# KiCad board Z80ATmega128.kicad_pcb (continued)
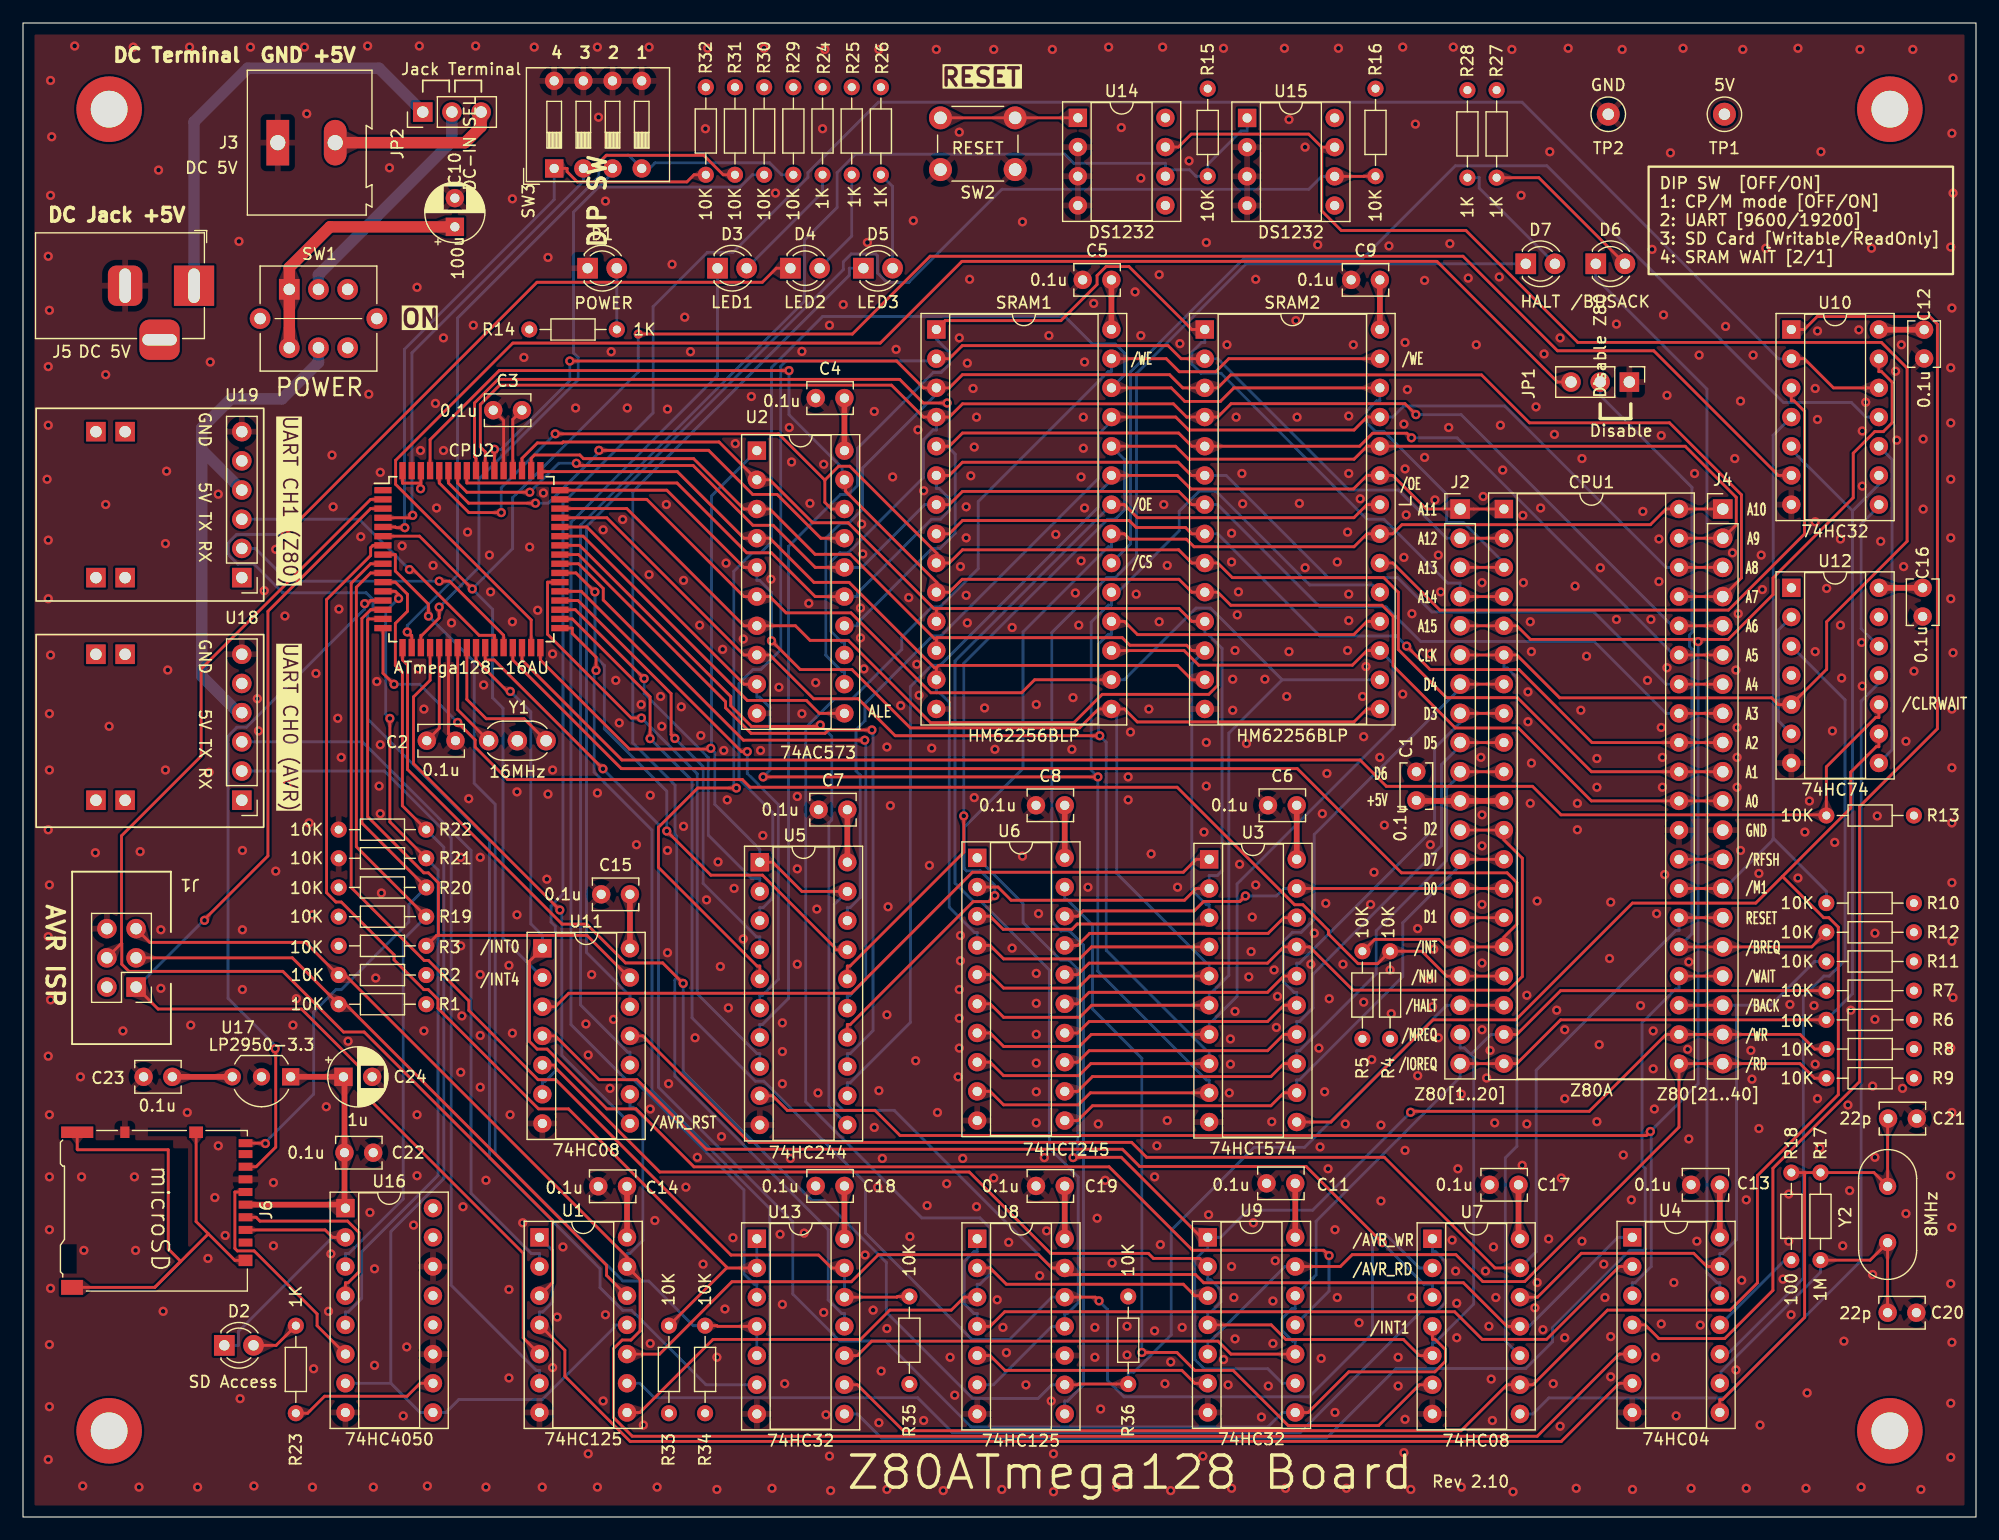
[diagram p0: board, top side]
## Routing (per net, layer and track width the routed paths; a pad name or vN(x,y) marks a point on that pad's centre or on a via; arc(x,y) is an arc through that point) (continued)
A14: length 138.1
  Top w0.25: SRAM2.1 101.74,103.33 96.27,108.81 94.28,108.81 93.49,108.02 93.49,107.25 90.34,104.1 80.27,104.1 SRAM1.1 ; CPU1.4 J2.4
  Bottom w0.25: U5.7 64.14,42.86 64.37,42.86 66.64,45.13 66.64,84.46 71.16,88.98 71.85,88.98 72.63,89.76 72.63,92.99 79.24,99.59 79.92,99.59 80.63,100.3 80.63,101.35 79.7,102.29 79.7,102.3 79.5,102.5 SRAM1.1 ; SRAM2.1 102.87,102.2 102.59,102.2 101.74,101.36 101.74,100.32 102.55,99.52 104.28,99.52 116.98,86.82 118.47,86.82 124.02,81.26 125.09,81.26 J2.4
A15: length 194
  Top w0.25: v1(141.65,33.55) 141.3,33.2 76.34,33.2 74.15,35.39 66.53,35.39 65.26,36.66 U5.9 ; J2.5 CPU1.5 130.03,77.55 131.22,76.36 145.81,76.36 ; U10.13 161.54,99.66 161.78,99.66 162.7,98.74 162.7,95.21 161.93,94.44 161.18,94.44 159.31,92.57 159.31,88.69 152.33,81.72 152.33,80.26 148.43,76.36 145.81,76.36 ; 145.81,76.36 v1(145.81,76.18)
  Bottom w0.25: v1(145.81,76.18) 145.81,37.71 v1(141.65,33.55) 141.73,33.47 141.73,21.8 140.31,20.38 140.08,20.38 U4.3
D0: length 114.7
  Top w0.25: U6.2 84.87,54.82 86.02,53.67 101.1,53.67 102.13,54.69 U3.2 ; 79.5,79.06 100.62,79.06 101.74,77.93 SRAM2.11 ; 79.5,79.06 79.28,79.06 71.82,86.51 68.74,86.51 65.01,90.25 U2.2 60.59,93.54 47.03,93.54 46.94,93.46 44.77,93.46 43.44,92.12 CPU2.51 ; 79.5,79.06 SRAM1.11
  Bottom w0.25: SRAM2.11 102.87,76.8 103.15,76.8 104.38,75.58 104.38,56.23 103.96,55.81 103.25,55.81 U3.2
D1: length 113.5
  Top w0.25: 79.5,76.46 79.32,76.46 72.01,83.77 68.94,83.77 65.01,87.71 U2.3 62.76,87.71 58.37,92.09 48.79,92.09 48.47,92.41 44.53,92.41 44.24,92.12 CPU2.50 ; 79.5,76.46 SRAM1.12 ; 79.5,76.46 79.56,76.52 95.68,76.52 96.34,75.86 101.28,75.86 101.74,75.39 SRAM2.12 ; U3.3 102.7,51.6 91.76,51.6 91.3,51.14 85.32,51.14 84.18,52.28 U6.3
  Bottom w0.25: U3.3 103.25,53.27 103.02,53.27 101.74,54.55 101.74,74.26 SRAM2.12
D2: length 112.6
  Top w0.25: SRAM2.13 101.74,72.85 100.49,74.1 79.7,74.1 79.5,73.9 ; U6.4 84.18,49.74 85.36,48.56 91.96,48.56 93.01,49.61 U3.4 ; 79.5,73.9 79.33,73.9 71.91,81.32 68.85,81.32 65.01,85.17 U2.4 62.76,85.17 56.96,90.96 45.12,90.96 CPU2.49 ; 79.5,73.9 SRAM1.13
  Bottom w0.25: U6.4 83.06,50.86 82.82,50.86 80.63,53.06 80.63,70.88 79.78,71.72 79.5,71.72 SRAM1.13
D3: length 132.7
  Top w0.25: CPU2.48 56.04,89.35 62.76,82.63 U2.5 ; v1(65.15,76.25) 67.66,73.74 72.16,73.74 77.24,68.66 91.97,68.66 93.62,70.31 SRAM1.15 95.87,70.31 96.99,69.18 115.86,69.18 116.98,70.31 SRAM2.15 ; U6.5 84.18,47.2 85.36,46.02 91.82,46.02 92.87,47.07 U3.5
  Bottom w0.25: v1(65.15,76.25) 65.15,80.47 64.11,81.5 63.88,81.5 U2.5 ; SRAM1.15 95.2,69.85 95.2,56.01 103.02,48.19 103.25,48.19 U3.5
D4: length 136.2
  Top w0.25: SRAM1.16 88.06,72.85 86.93,71.72 79.02,71.72 72.07,78.67 66.42,78.67 65.01,80.09 U2.6 62.76,80.09 54.3,88.55 CPU2.47 ; U3.6 93.03,44.53 91.98,43.48 85.36,43.48 84.18,44.66 U6.6
  Bottom w0.25: 109.61,72.85 104.96,68.2 104.96,47.13 103.48,45.65 103.25,45.65 U3.6 ; 109.61,72.85 103.37,79.09 102.11,79.09 95.87,72.85 SRAM1.16 ; 109.61,72.85 SRAM2.16
D5: length 154.2
  Top w0.25: SRAM2.17 116.98,75.39 115.71,74.12 104,74.12 ; U6.7 84.18,42.12 85.36,40.94 91.94,40.94 92.99,41.99 U3.7 ; 104,74.12 104,72.37 103.21,71.58 93.94,71.58 91.47,69.12 79,69.12 71.84,76.28 68.51,76.28 67.24,77.55 U2.7 62.76,77.55 52.56,87.75 CPU2.46 ; 104,74.12 102.34,74.12 101.07,75.39 SRAM1.17
  Bottom w0.25: SRAM2.17 119.24,74.26 119.24,68.65 105.68,55.09 105.68,45.31 103.48,43.11 103.25,43.11 U3.7
D6: length 143.5
  Top w0.25: v1(93.72,67.98) 75.92,67.98 72.7,71.2 68.82,71.2 65.01,75.01 U2.8 62.76,75.01 50.82,86.95 CPU2.45 ; SRAM1.18 95.87,77.93 97.02,76.78 115.84,76.78 116.98,77.93 SRAM2.18 ; U3.8 92.95,39.45 91.9,38.4 85.36,38.4 84.18,39.58 U6.8
  Bottom w0.25: SRAM1.18 94.74,76.8 94.46,76.8 93.62,75.96 93.62,68.09 v1(93.72,67.98) 94.29,67.41 94.29,49.3 103.02,40.57 103.25,40.57 U3.8
D7: length 162.7
  Top w0.25: U2.9 62.76,72.47 49.08,86.15 CPU2.44 ; U6.9 84.18,37.04 85.36,35.86 91.86,35.86 92.91,36.91 U3.9 ; v1(93.57,64.4) 93.56,64.4 64.43,64.4 v1(64.42,64.4)
  Bottom w0.25: SRAM1.19 94.74,79.91 ; 94.74,79.91 100.64,85.81 100.64,87.52 102.38,89.26 103.84,89.26 112,81.1 117.48,81.1 SRAM2.19 ; 94.74,79.91 94.74,79.34 94.46,79.34 92.98,77.87 92.98,64.98 v1(93.57,64.4) 93.55,64.38 93.55,47.5 103.02,38.03 103.25,38.03 U3.9 ; v1(64.42,64.4) 65.02,64.99 65.02,70.43 64.11,71.34 63.88,71.34 U2.9
DB0: length 39.2
  Top w0.25: CPU1.14 J2.14 U3.19 ; v1(106.41,54.04) 105.93,53.56 102.77,53.56 101.95,52.74 92.27,52.74 91.8,52.28 U6.18
  Bottom w0.25: v1(106.41,54.04) 109.1,54.04 109.75,54.69 U3.19
DB1: length 39.2
  Top w0.25: CPU1.15 J2.15 ; U6.17 91.8,49.74 92.85,50.78 108.38,50.78 109.75,52.15 U3.18
  In1.Cu w0.25: J2.15 U3.18
DB2: length 60.7
  Top w0.25: CPU1.12 128.91,58.93 130.51,57.32 130.51,47.03 129.32,45.84 115.76,45.84 112,49.61 U3.17 109.75,49.61 108.33,48.19 92.8,48.19 91.8,47.2 U6.16 ; CPU1.12 J2.12 ; CPU1.12 128.91,59.21
DB3: length 53.9
  Top w0.25: U3.16 109.75,47.07 108.33,45.65 92.8,45.65 91.8,44.66 U6.15 ; CPU1.8 J2.8
  Bottom w0.25: J2.8 125.09,69.12 122.87,66.9 122.87,59.96 111.1,48.19 110.87,48.19 U3.16
DB4: length 60.4
  Top w0.25: U3.15 109.75,44.53 108.33,43.11 92.8,43.11 91.8,42.12 U6.14 ; 128.91,72.47 125.09,72.47
  Bottom w0.25: U3.15 110.87,45.65 110.64,45.65 109.72,46.57 109.72,50.09 110.51,50.88 111.27,50.88 112.4,52.01 112.4,59.4 118.38,65.38 118.4,65.38 118.82,65.8 118.82,65.83 125.09,72.09 125.09,72.47
DB5: length 56.4
  Top w0.25: U6.13 91.8,39.58 92.8,40.57 108.33,40.57 109.75,41.99 U3.14 ; 128.91,67.39 125.09,67.39
  Bottom w0.25: U3.14 110.87,43.11 111.1,43.11 112.29,44.3 112.29,47.23 123.47,58.41 123.47,65.47 125.09,67.09 125.09,67.39
DB6: length 56.4
  Top w0.25: CPU1.10 J2.10 ; U3.13 109.75,39.45 108.62,38.32 93.09,38.32 91.8,37.04 U6.12
  Bottom w0.25: J2.10 125.09,64.59 123.92,63.42 123.92,57.14 117.79,51.01 117.79,47.26 111.1,40.57 110.87,40.57 U3.13
DB7: length 51.4
  Top w0.25: U3.12 109.75,36.91 108.62,35.78 93.09,35.78 91.8,34.5 U6.11 ; CPU1.13 J2.13
  Bottom w0.25: J2.13 125.09,56.69 120.1,51.7 120.1,47.03 111.1,38.03 110.87,38.03 U3.12
MISO: length 59.5
  Top w0.25: v1(21.95,40.75) 22,40.7 22,32.18 20.3,30.48 J6.7 ; v1(29.74,79.47) 29.99,79.47 30.26,79.75 CPU2.13
  Bottom w0.25: v1(29.74,79.47) 29.74,79.01 19.45,68.72 18.62,68.72 17.85,67.95 17.85,45.13 21.95,41.03 v1(21.95,40.75)
MOSI: length 70.9
  Top w0.25: R21.1 31.94,60.48 v1(31.94,69.49) ; v1(32.7,79.92) 32.7,80.26 32.41,80.55 CPU2.12
  Bottom w0.25: R21.1 36.13,56.29 36.13,29.73 29.48,23.08 29.48,19.02 28.3,17.84 28.07,17.84 U16.5 ; v1(31.94,69.49) 31.57,69.85 31.57,78.8 v1(32.7,79.92)
RXD1: length 27.2
  Top w0.25: v1(33.64,82.44) 33.98,82.44 39.7,76.72 41.04,76.72 CPU2.27
  Bottom w0.25: v1(33.64,82.44) 29.26,86.82 U19.3
SCK: length 104.2
  Top w0.25: R22.1 33.02,61.89 33.02,73.48 32.41,74.09 32.41,77.75 33.47,78.81 33.47,80.29 32.41,81.35 CPU2.11
  Bottom w0.25: R22.1 36.63,58.28 36.63,29.45 32.02,24.84 32.02,11.64 ; 32.02,11.64 34.56,9.1 U16.9 36.81,9.1 37.94,10.22 45.19,10.22 51.45,16.48 51.45,16.72 U1.11 ; 32.02,11.64 U16.7
SW: length 58
  Top w0.25: CPU2.14 30.26,78.95 29.5,78.19 29.5,60.38 R20.1 ; J6.9 21.07,32.53 v1(21.1,32.5)
  Bottom w0.25: R20.1 33.59,53.27 33.59,51.77 27.71,45.89 27.25,45.89 25.3,43.94 25.3,36.8 21.1,32.6 v1(21.1,32.5)
TXD1: length 27
  Top w0.25: v1(36.23,81.43) 37.13,81.43 41.84,76.72 CPU2.28
  Bottom w0.25: v1(36.23,81.43) 23.07,81.43 20.23,84.28 U19.2
Net-(C20-Pad1): length 26.9
  Top w0.25: R17.2 160.78,22.35 Y2.2 162.3,23.87 162.3,17.78 C20.1
  Bottom w0.25: U4.9 147.8,11.74 147.8,12.63 156.46,21.29 R17.2
Net-(C21-Pad2): length 38.9
  Top w0.25: C21.2 162.31,34.63 Y2.1 161.11,29.97 R18.1 ; U4.8 147.7,10.22 147.93,10.22 155.08,17.37 155.08,29.97
Net-(CPU2-PC0): length 32.9
  Top w0.25: v1(54.07,72.95) 48.08,78.95 CPU2.35
  Bottom w0.25: 64.14,54.44 64.14,55.56 63.42,55.56 59.65,59.33 59.65,66.08 54.07,71.66 v1(54.07,72.95)
Net-(CPU2-PC1): length 38.7
  Top w0.25: v1(56.74,67.74) 56.41,68.07 56.41,71.65 48.31,79.75 CPU2.36
  Bottom w0.25: v1(56.74,67.74) 59.2,65.28 59.2,55.13 63.85,50.48 64.14,50.48 64.14,49.36
Net-(CPU2-PC2): length 46.3
  Top w0.25: CPU2.37 48.6,80.55 62.55,66.6 v1(63.05,66.6)
  Bottom w0.25: v1(63.05,66.6) 63.05,64.69 65.75,61.99 65.75,46.78 64.37,45.4 64.14,45.4 64.14,44.28
Net-(CPU2-PC3): length 51.5
  Top w0.25: CPU2.38 45.66,81.35 45.66,76.81 52.95,69.53 v1(53.83,69.53)
  Bottom w0.25: U5.8 64.14,40.32 63.9,40.32 58.69,45.54 58.69,64.67 v1(53.83,69.53)
Net-(CPU2-PC4): length 47.3
  Top w0.25: CPU2.39 48.13,82.15 v1(49.78,80.49) ; v1(56.04,59.69) 59.87,55.85 64.37,55.85 70.63,49.59 70.63,49.36 71.75,49.36
  Bottom w0.25: v1(49.78,80.49) 49.78,74.92 50.61,74.09 50.61,68.59 56.04,63.16 v1(56.04,59.69)
Net-(CPU2-PC5): length 57.6
  Top w0.25: v1(73.27,67.59) 62.71,67.59 50.51,79.79 50.51,80.79 48.36,82.95 CPU2.40
  Bottom w0.25: v1(73.27,67.59) 73.36,67.51 73.36,46.77 71.99,45.4 71.75,45.4 71.75,44.28
Net-(CPU2-PC6): length 64.4
  Top w0.25: v1(73.9,68.48) 70.11,68.48 69.82,68.19 63.38,68.19 61.16,70.41 61.16,70.94 48.35,83.75 CPU2.41
  Bottom w0.25: v1(73.9,68.48) 74,68.38 74,42.33 71.99,40.32 71.75,40.32 U5.13
Net-(CPU2-PC7): length 65.7
  Top w0.25: CPU2.42 48.45,84.55 61.61,71.39 61.61,70.6 63.41,68.79 69.28,68.79 v1(69.4,68.92)
  Bottom w0.25: v1(69.4,68.92) 70.4,67.92 70.4,60.65 70.15,60.4 70.15,35.72 U5.11
Net-(CPU2-PD7): length 208.7
  Top w0.25: U1.10 55.41,14.18 61.71,20.47 72.1,20.47 74.46,22.83 88.4,22.83 89.55,21.67 U8.13 91.25,21.1 102.06,21.1 102.78,20.38 125.38,20.38 129.18,16.59 U7.11 ; 71.75,54.44 67.8,54.44 65.26,56.97 U5.1 ; CPU2.32 45.04,74.57 52.79,66.82 59.8,66.82 v1(59.87,66.89)
  Bottom w0.25: U2.1 59.92,88.83 59.92,66.94 v1(59.87,66.89) 60.21,66.54 60.21,62.02 64.14,58.1 U5.1 ; U7.11 131.09,16.59 138.84,24.34 U4.1 ; U8.13 89.55,21.67 75.84,35.39 71.4,35.39 70.62,36.16 70.62,53.3 71.75,54.44
Net-(CPU2-PE0): length 106.1
  Top w0.25: 8.57,49.92 8.57,59.28 15.51,66.21 15.51,73.79 30.26,88.55 CPU2.2 ; 8.57,49.92 8.6,49.9 8.6,48.1 9.22,47.48 22.62,47.48 27.9,42.2 29.7,42.2 46.08,25.82 46.08,23.21 46.1,23.2 46.1,20.4 U1.3 ; 8.57,49.92 J1.4
Net-(CPU2-PE1): length 105
  Top w0.25: U1.5 43.54,15.59 43.54,22.96 29.2,37.3 29.2,39.24 24.24,44.2 11.76,44.2 J1.1 ; CPU2.3 30.26,87.75 21.32,78.81 21.32,57.52 15.8,52 v1(15.8,51.92)
  Bottom w0.25: v1(15.8,51.92) 15.73,51.92 9.93,46.11 J1.1
Net-(CPU2-XTAL1): length 12.9
  Top w0.25: Y1.3 43.63,69.46 40.33,69.46 38.64,71.14 CPU2.24
Net-(CPU2-XTAL2): length 9.2
  Top w0.25: Y1.1 37.84,70.25 CPU2.23
Net-(D1-A): length 5.3
  Bottom w0.25: R14.1 51.68,103.34 D1.2
Net-(D2-A): length 4.4
  Top w0.25: R23.1 22.04,14.94 D2.2
Net-(D2-K): length 24.1
  Top w0.25: J6.2 26.3,24.98 26.94,24.34 U16.2
  Bottom w0.25: D2.1 18.75,14.94 18.75,16.15 26.94,24.34 U16.2
Net-(D3-A): length 10.9
  Bottom w0.25: R24.1 69.6,115.27 D3.2
Net-(D3-K): length 102
  Bottom w0.25: D3.1 60.45,99.31 47.7,86.56 47.7,42.85 52.5,38.05 53.15,38.05 62.76,28.45 62.76,21.15 63.65,20.25 63.88,20.25 U13.3
Net-(D4-A): length 9.3
  Bottom w0.25: R25.1 72.14,111.46 D4.2
Net-(D4-K): length 159.7
  Top w0.25: D4.1 65.58,108.66 64.35,107.44 44.74,107.44 22.82,85.52 v1(22.82,85.5)
  Bottom w0.25: U13.6 59.45,11.51 52.97,17.99 52.2,17.99 50.23,19.96 50.23,21.6 40.6,31.24 40.6,58.85 30,69.45 30,78.63 30.47,79.1 30.47,79.83 29.87,80.42 22.61,80.42 20.11,82.92 18.69,82.92 17.87,83.73 17.87,84.78 18.6,85.5 v1(22.82,85.5)
Net-(D5-A): length 8.5
  Bottom w0.25: R26.1 75.69,115.78 D5.2
Net-(D5-K): length 109
  Bottom w0.25: U13.11 71.5,17.71 71.27,17.71 70.09,18.9 70.09,25.01 56.74,38.36 56.74,46.73 56.9,46.89 56.9,59.25 56.76,59.39 56.76,63.68 53.08,67.36 53.08,89.21 71.93,108.05 71.93,108.66 D5.1
Net-(D6-A): length 14.3
  Top w0.25: D6.2 131.95,116.54 R27.1
Net-(D6-K): length 94.4
  Bottom w0.25: U4.12 147.7,20.38 147.47,20.38 146.58,21.27 146.58,98.15 136.9,107.82 D6.1
Net-(D7-A): length 11.2
  Bottom w0.25: R28.2 126.76,116.54 126.76,115.63 D7.2
Net-(D7-K): length 134.2
  Bottom w0.25: U8.8 90.68,10.09 90.91,10.09 92.31,11.49 92.31,49.77 91.07,51.01 90.34,51.01 89.55,51.79 89.55,76.96 94.34,81.74 95.08,81.74 96.93,83.59 96.93,99.52 106.46,109.05 D7.1
Net-(J1-SCK): length 55.4
  Top w0.25: J1.3 23.45,48.65 R1.2 28.08,44.62 50.8,21.9 50.8,21.02 52.56,19.26 U1.12
Net-(J3-Pin_2): length 14.5
  Top w1: JP2.3 39.88,120.98 38.48,119.59 J3.2
Net-(J5-In): length 37.7
  Bottom w1: J5.1 14.89,121.39 19.56,126.06 30.99,126.06 JP2.1
Net-(J6-CLK): length 19.9
  Top w0.25: J6.5 18.44,28.28 18.44,23.37 18.66,23.16 20.12,23.16 25.6,17.67 25.6,16.64 U16.6
Net-(J6-CMD): length 16.6
  Top w0.25: J6.3 20.3,26.08 20.62,25.75 28.25,25.75 29.25,24.75 29.25,21.33 28.3,20.38 28.07,20.38 U16.4
Net-(JP2-C): length 20.2
  Bottom w1: JP2.2 37.34,119.71 25.72,108.09 SW1.2
Net-(R18-Pad2): length 8.6
  Bottom w0.25: U4.11 147.72,16.72 153.35,22.35 R18.2
Net-(R23-Pad2): length 13
  Top w0.25: U16.10 34.56,11.64 33.44,10.51 26.26,10.51 24.77,9.03 R23.2
Net-(SRAM1-~{CS}): length 99
  Bottom w0.25: U10.11 160.42,95.71 159.15,96.98 153.24,96.98 132.64,117.58 124.69,117.58 116.6,109.5 106.25,109.5 96.41,99.66 96.41,84.68 SRAM1.20
Net-(SRAM1-~{OE}): length 116.6
  Top w0.25: SRAM2.22 116.98,88.09 115.85,86.95 97,86.95 95.87,88.09 SRAM1.22
  Bottom w0.25: U8.6 84.47,11.51 89.55,16.59 U8.11 90.68,17.71 90.91,17.71 91.86,18.66 91.86,29.59 89.34,32.1 89.34,47.6 83.4,53.55 82.73,53.55 81.12,55.16 81.12,74.47 SRAM1.22
Net-(SRAM1-~{WE}): length 163.3
  Top w0.25: SRAM2.27 104.96,100.79 103.82,99.65 100.65,99.65 99.51,100.79 SRAM1.27 ; U1.8 53.7,9.1 60.06,15.45 72.9,15.45 75.45,18 80.81,18 81.93,19.13 U8.3
  Bottom w0.25: SRAM1.27 94.74,99.66 94.46,99.66 83.15,88.35 83.15,82.52 79.83,79.2 79.13,79.2 76.5,76.56 76.5,75.5 72.2,71.2 70.65,71.2 68.13,68.68 68.13,36.13 78.24,26.03 83.3,26.03 84.19,25.13 84.19,21.16 83.29,20.25 83.06,20.25 U8.3
Net-(SRAM2-~{CS}): length 54.7
  Top w0.25: U10.3 153.92,97.12 154.16,97.12 155.07,96.21 155.07,85.54 148.45,78.91 123.33,78.91 119.24,83.01 SRAM2.20
Net-(U1-Pad1): length 111.5
  Top w0.25: U1.4 47.17,14.51 47.17,12.26 52.85,6.58 133.9,6.58 138.96,11.64 U4.6
  Bottom w0.25: U1.4 44.96,17.84 45.24,17.84 46.09,18.7 46.09,23.2 U1.1
Net-(U3-OE): length 63.4
  Top w0.25: U11.3 46.34,44.4 47.51,45.57 72.12,45.57 82.65,56.1 101,56.1 102.13,57.23 U3.1
Net-(U4-Pad2): length 70.1
  Top w0.25: U4.2 138.96,21.8 132.62,15.46 127.02,15.46 124.62,17.86 85.45,17.86 84.18,16.59 U8.4
  Bottom w0.25: U8.1 83.06,23.08 82.78,23.08 81.93,22.24 81.93,18.56 82.78,17.71 83.06,17.71 U8.4
Net-(U6-CE): length 72.8
  Top w0.25: v1(97.39,14.32) 100.44,14.32 102,12.76 105.33,12.76 110.13,7.96 118.01,7.96 121.56,11.51 U7.6
  Bottom w0.25: U6.19 90.68,53.69 90.91,53.69 93.09,51.51 93.09,44.21 97.39,39.91 v1(97.39,14.32)
Net-(U8-Pad2): length 21.1
  Top w0.25: U9.3 102,19.26 101,20.25 85.6,20.25 84.18,21.67 U8.2
Net-(U8-Pad5): length 21.1
  Top w0.25: U9.6 102,11.64 100.87,12.76 85.47,12.76 84.18,14.05 U8.5
Net-(U10-Pad1): length 117.9
  Top w0.25: U10.1 155.05,103.33 156.17,104.46 165.98,104.46 166.64,103.79 166.64,68.59 159.87,61.82 159.87,37.89 152.32,30.34 152.32,19.72 148.12,15.53 142.4,15.53 141.21,16.72 U4.4
Net-(U10-Pad12): length 197.6
  Top w0.25: U10.2 155.05,100.79 157.59,98.25 U10.12
  Bottom w0.25: U10.2 152.8,100.79 130.48,123.11 74.45,123.11 68.33,116.98 68.33,116.57 61.8,110.04 59.57,110.04 54.85,105.32 54.85,96.08 47,88.23 47,54.2 45.96,53.16 45.96,51.77 46.34,51.4 46.34,38.8 45.44,37.91 45.21,37.91 U11.6
Net-(U11-Pad4): length 87.5
  Top w0.25: v1(118.32,23.87) 111.69,30.5 97.2,30.5 95.7,32 59.5,32 53.45,38.05 50.15,38.05 46.34,41.86 U11.4
  Bottom w0.25: v1(118.32,23.87) 121.94,20.25 122.68,20.25 U7.3
Net-(U12A-C): length 68.7
  Bottom w0.25: U12.3 153.93,75.77 158.6,71.1 158.6,48.44 157.22,47.07 156.76,47.07 154.97,45.28 154.97,20.77 148.38,14.18 U4.10
Net-(U12A-D): length 11.1
  Bottom w0.25: U12.2 152.8,77.18 152.8,69.28 U12.6
Net-(U12B-C): length 86.8
  Bottom w0.25: U7.8 131.43,8.97 132.82,10.37 148.05,10.37 160,22.32 160,71 161.54,72.54 U12.11
Net-(U12B-D): length 13.6
  Bottom w0.25: U10.8 161.54,87.94 160,86.4 160,77.3 161.53,75.77 U12.12
Net-(U12B-~{Q}): length 28.5
  Bottom w0.25: U12.8 162.69,66.76 162.69,92.02 U10.10
Net-(U14-/PBRST): length 12
  Top w0.25: U14.1 SW2.2 SW2.2
Net-(U14-/RST): length 130.2
  Bottom w0.25: U11.10 52.83,40.45 52.64,40.45 48.54,44.56 48.54,86.3 68.03,105.79 68.03,111.11 70.87,113.95 70.87,116.98 72.47,118.59 90.68,118.59 91.48,117.79 99.44,117.79 99.44,117.23 ; U15.1 106.55,120.61 106.04,120.61 103.12,117.69 R15.2 102.1,116.66 101.54,117.23 99.44,117.23 ; U14.6 99.44,117.23
Net-(U15-/RST): length 128.1
  Top w0.25: R16.2 116.7,116.66 116.69,116.66 U15.6
  Bottom w0.25: U11.12 52.83,45.53 52.64,45.53 49.04,49.13 49.04,86.17 71.41,108.54 71.41,109.22 72.1,109.91 74.22,109.91 74.38,109.76 74.38,108.25 75.2,107.42 77.1,107.42 85.21,115.53 111.92,115.53 113.05,116.66 U15.6
unconnected-(J6-SHIELD-Pad11): length 50.1
  Top w0.25: 11.47,19.98 13.73,22.24 12.65,23.33 12.65,31.95 4.77,31.95 4.72,32 J6.11 ; 11.47,19.98 16.13,24.64 ; 11.47,19.98 J6.11 ; 16.13,24.64 15.07,25.7 J6.11 ; 16.13,24.64 18.44,22.33 J6.11

## Copper pours and planes (outline as drawn; the poured copper is in the pictures)
GND on Top, Bottom, In1.Cu: 0,130 170,130 170,0 0,0
VCC on In2.Cu: 0,130 170,130 170,0 0,0

Small or netless copper shapes (teardrops, artwork), in the pictures only: 523 on Top, 294 on Bottom, 4 on In1.Cu

## Text on the board
F.Silkscreen: A8 | A7 | A6 | A5 | A4 | A3 | A2 | A1 | A0 | GND | /RFSH | /M1 | RESET | /BREQ | /WAIT | /BACK | /WR | /RD | A10 | A9 | /WE | /OE | /CS | D6 | +5V | A11 | A12 | A13 | A14 | A15 | CLK | D4 | D3 | D5 | D2 | D7 | D0 | D1 | /INT | /NMI | /HALT | /MREQ | /IOREQ | /INT0 | /INT4 | /AVR_RST | ALE | /AVR_WR | /AVR_RD | /INT1 | /CLRWAIT | Jack Terminal | Rev 2.10 | Disable | GND    5V TX RX | 4  3  2  1 | UART CH1 (Z80) | UART CH0 (AVR) | DC Terminal  GND +5V | DC Jack +5V | microSD | ON | AVR ISP | Z80ATmega128 Board | DIP SW  [OFF/ON] / 1: CP/M mode [OFF/ON] / 2: UART [9600/19200] / 3: SD Card [Writable/ReadOnly] / 4: SRAM WAIT [2/1]
